# Altium PCB MiniPC.PcbDoc (part 4 of 23)
Units mm, origin at the board's own origin, x right, y up, seen from the top; angles counter-clockwise.
Board outline 175 x 155 mm, 16 copper layers (1_Top, 2_int1_(gnd), 3_int2_(power), 4_int3_(gnd), 5_int4_(sign), 6_int5_(power), 7_int6_(sign), 8_int7_(power), 9_int8_(gnd), 10_int9_(sign), 11_int10_(gnd), 12_int11_(sign), 13_int12_(gnd), 14_int13_(power), 15_int14_(gnd), 16_Bottom), stack 2.008 mm thick; 1046 components, 841 nets, 6010 pads, 4016 vias.
Unrouted connection lines stored in the file: 602.
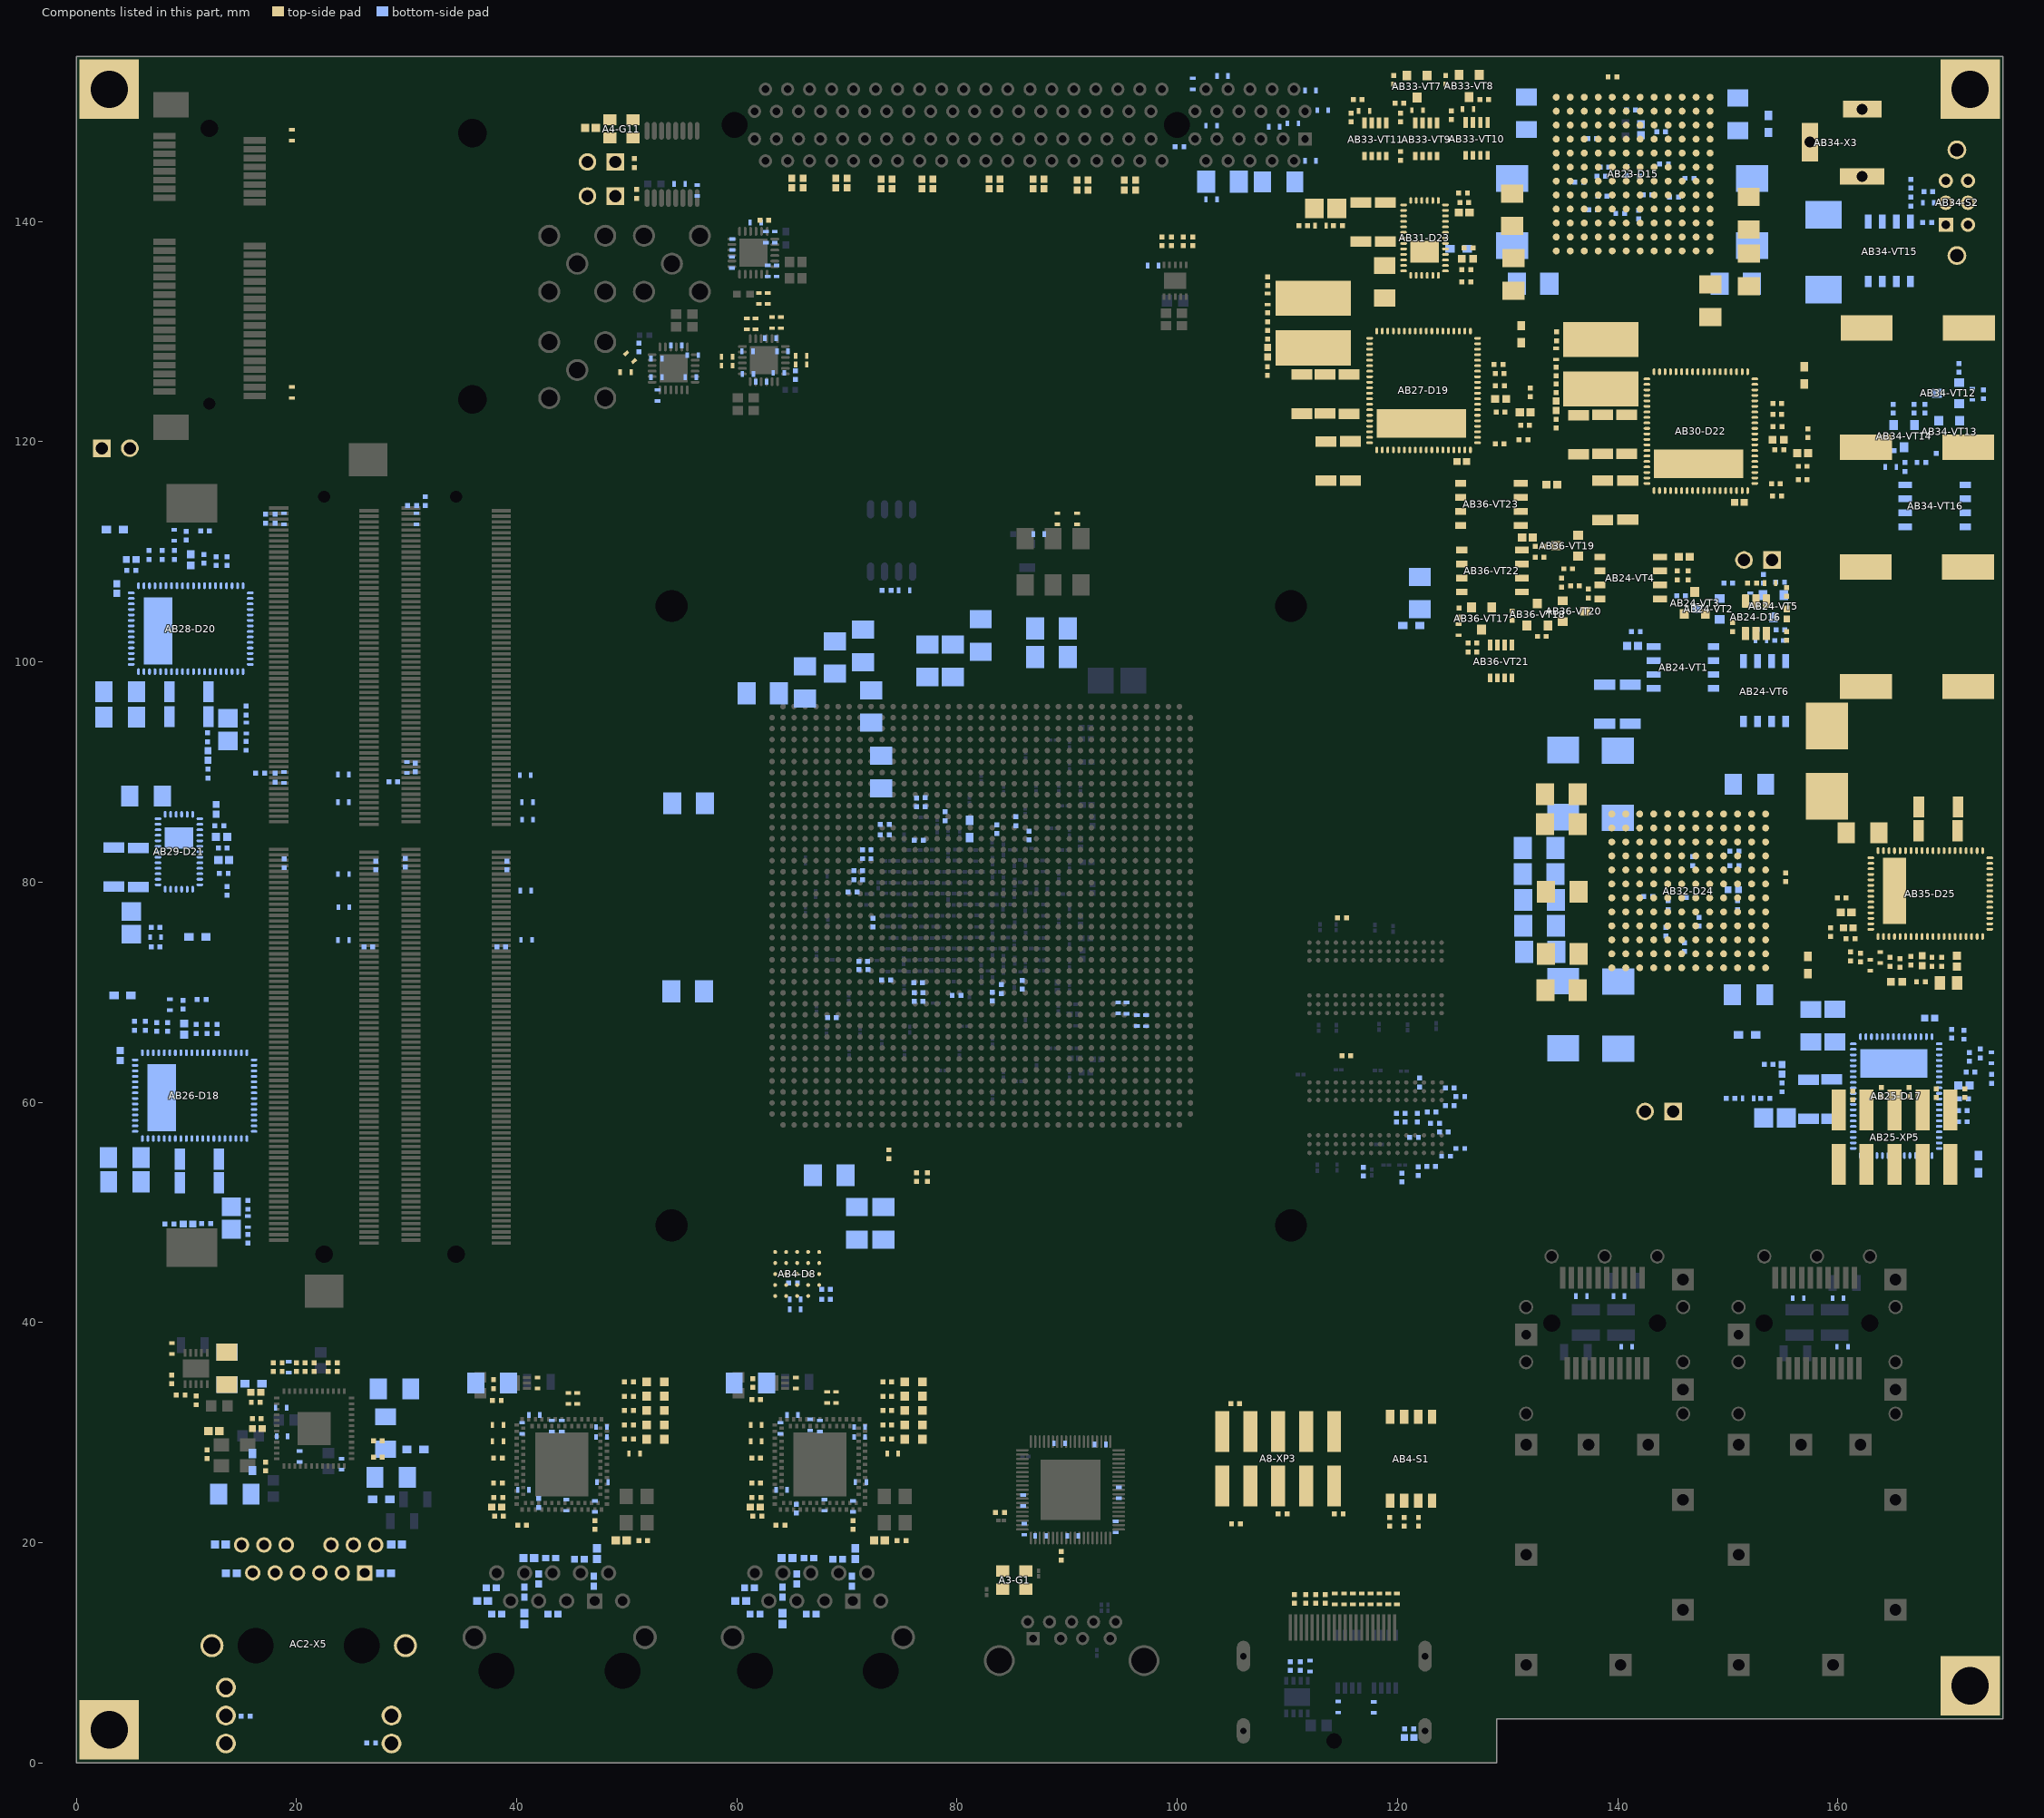
[diagram p18: the components of this part, seen from the top]

## Components (designator, comment, footprint, x,y, rotation, side; value= is the part's Value field where it differs from the comment) (continued)
AB24-C441 "CGB2A1X5R1E105K033BC" CAPC1005X33X10LL5 153.02,101.96 r180 bottom (schematic designator C441)
AB24-C442 "C1005X7R1E104M" CAPC1005X55X10LL05 153.845,107.15 r180 top (schematic designator C442)
AB24-D16 "TPS3700DDCR" DDC0006A_M 152.545,104.05 r90 top (schematic designator D16)
AB24-R152 "ERJ-2RKF1003X" RESC1005X40X25LL05T05 141.645,102.75 r180 bottom locked (schematic designator R152)
AB24-R153 "ERJ-2RKF1002X" RESC1005X40X25LL05T05 150.045,107.15 r0 bottom locked (schematic designator R153)
AB24-R154 "ERJ-2RKF1003X" RESC1005X40X25LL05T05 145.745,106 r0 bottom locked (schematic designator R154)
AB24-R155 "ERJ-2RKF1002X" RESC1005X40X25LL05T05 153.245,107.55 r90 bottom locked (schematic designator R155)
AB24-R156 "ERJ-2RKF1001X" RESC1005X40X25LL05T05 146.395,107.85 r90 top (schematic designator R156)
AB24-R157 "ERJ-2RKF1002X" RESC1005X40X25LL05T05 154.745,107.25 r180 bottom locked (schematic designator R157)
AB24-R158 "ERJ-2RKF1003X" RESC1005X40X25LL05T05 145.395,107.85 r270 top (schematic designator R158)
AB24-R159 "ERJ-2RKF4992X" RESC1005X40X25LL05T05 153.06,102.93 r180 bottom (schematic designator R159)
AB24-R160 "ERJ-2RKF1003X" RESC1005X40X25LL05T05 154.78,102.91 r180 bottom (schematic designator R160)
AB24-R161 "ERJ-2RKF10R0X" RESC1005X40X25LL05T05 154.65,101.94 r0 bottom (schematic designator R161)
AB24-R162 "ERJ-2RKF2552x" RESC1005X40X25LL05T05 155.345,102.35 r270 top (schematic designator R162)
AB24-R163 "NRC04F49R9TRF" RESC1005X35X25NL8T10 155.345,104.35 r270 top (schematic designator R163)
AB24-R164 "ERJ-2RKF1001X" RESC1005X40X25LL05T05 155.345,106.35 r270 top (schematic designator R164)
AB24-R165 "ERJ-2RKF1002X" RESC1005X40X25LL05T05 150.445,103.15 r270 top (schematic designator R165)
AB24-R166 "ERJ-2RKF1002X" RESC1005X40X25LL05T05 152.195,107.15 r180 top (schematic designator R166)
AB24-VT1 "SiRA00DP-T1-GE3" VISH-PPAKSO-8_V 145.978,99.485 r0 bottom locked (schematic designator VT1)
AB24-VT2 "MMBT2222A-7-F" DIOD-SOT23-3_V 148.245,104.8 r180 bottom (schematic designator VT2)
AB24-VT3 "MMBT2222A-7-F" DIOD-SOT23-3_V 146.995,105.35 r90 top (schematic designator VT3)
AB24-VT4 "SiRA00DP-T1-GE3" VISH-PPAKSO-8_V 141.113,107.615 r180 top locked (schematic designator VT4)
AB24-VT5 "MMBT2222A-7-F" DIOD-SOT23-3_V 154.145,105.05 r270 bottom (schematic designator VT5)
AB24-VT6 "Si7635DP-T1-GE3" VISH-PPAKSO-8_V 153.33,97.318 r270 bottom locked (schematic designator VT6)
AB24-XP4 "613 002 111 21" WE-61300211121_V 152.735,109.25 r180 top locked (schematic designator XP4)
AB25-C443 "GRM31CR61E226KE15L" CAPC3216X180X55ML20T25 157.52,66.95 r90 bottom (schematic designator C443)
AB25-C444 "GRM31CR61E226KE15L" CAPC3216X180X55ML20T25 159.71,66.96 r90 bottom (schematic designator C444)
AB25-C445 "VJ0402Y153JXQPW1BC" CAPC1005X55X23ML05T8 171.435,61.53 r180 bottom locked (schematic designator C445)
AB25-C446 "GRM155R61A224KE19D" CAPC1005X55X25NL05T10 168.335,67.63 r180 bottom locked (schematic designator C446)
AB25-C447 "C3216X5R1A476M160AB" CAPC3216X180X20ML20 157.32,60.28 r270 bottom (schematic designator C447)
AB25-C448 "C3216X5R1A476M160AB" CAPC3216X180X20ML20 159.44,60.29 r270 bottom (schematic designator C448)
AB25-C449 "C1005C0G1H220J050BA" CAPC1005X55X10LL05 173.935,64.03 r90 bottom locked (schematic designator C449)
AB25-C450 "GRM155R61A224KE19D" CAPC1005X55X25NL05T10 154.91,63 r90 bottom (schematic designator C450)
AB25-C451 "CGB2A1X5R1E105K033BC" CAPC1005X33X10LL5 151.83,60.34 r0 bottom (schematic designator C451)
AB25-D17 "EN6360QI" ALTR-QFN-68_A-305_V 165.285,60.556 r90 bottom locked (schematic designator D17)
AB25-L16 "742792609" SMD-0603 172.76,54.38 r270 bottom locked (schematic designator L16)
AB25-R167 "ERJ-2GE0R00X" RESC1005X40X25LL05T05 171.435,66.13 r90 bottom locked (schematic designator R167)
AB25-R168 "ERJ-2RKF1003X" RESC1005X40X25LL05T05 170.335,66.23 r90 bottom locked (schematic designator R168)
AB25-R169 "ERJ-2RKF5491X" RESC1005X40X25LL05T05 171.335,59.23 r0 bottom locked (schematic designator R169)
AB25-R170 "ERJ-2RKF1002X" RESC1005X40X25LL05T05 171.335,58.23 r180 bottom locked (schematic designator R170)
AB25-R171 "ERJ-2GE0R00X" RESC1005X40X25LL05T05 171.435,60.33 r0 bottom locked (schematic designator R171)
AB25-R172 "CRCW0402191KFKED" RESC1005X40X25LL05T05 171.935,64.13 r270 bottom locked (schematic designator R172)
AB25-R173 "ERJ-2GE0R00X" RESC1005X40X25LL05T05 173.935,62.13 r90 bottom locked (schematic designator R173)
AB25-R174 "CRCW0402160KFKED" RESC1005X40X25LL05T05 172.035,62.73 r180 bottom locked (schematic designator R174)
AB25-R175 "CRCW0402976KFKED" RESC1005X40X25LL05T05 161.335,60.63 r90 top (schematic designator R175)
AB25-R176 "CRCW0402649KFKED" RESC1005X40X25LL05T05 163.935,60.93 r90 top (schematic designator R176)
AB25-R177 "CRCW0402390KFKED" RESC1005X40X25LL05T05 166.435,60.93 r90 top (schematic designator R177)
AB25-R178 "ERJ-2RKF2403X" RESC1005X40X25LL05T05 168.935,60.83 r90 top (schematic designator R178)
AB25-R179 "CRCW0402137KFKED" RESC1005X40X25LL05T05 171.535,60.83 r90 top (schematic designator R179)
AB25-R180 "ERJ-2RKF1502X" RESC1005X40X25LL05T05 172.935,64.43 r270 bottom locked (schematic designator R180)
AB25-R181 "ERJ-2RKF1000X" RESC1005X40X25LL05T05 154.9,61.35 r90 bottom (schematic designator R181)
AB25-R182 "ERJ-2RKF1000X" RESC1005X40X25LL05T05 153.7,63.45 r0 bottom (schematic designator R182)
AB25-R183 "ERJ-2RKF1002X" RESC1005X40X25LL05T05 153.4,60.34 r0 bottom (schematic designator R183)
AB25-R184 "WSLP12061L000FEA" RESC3216X89X104LL25T25 154.28,58.58 r0 bottom (schematic designator R184)
AB25-R185 "ERJ-2RKF1002X" RESC1005X40X25LL05T05 150.24,60.36 r180 bottom (schematic designator R185)
AB25-XP5 "TSM-105-01-T-DV-TR" SMTC-TSM-105-01-T-DV_V 165.135,56.83 r0 top (schematic designator XP5)
AB26-C452 "GRM31CR61E226KE15L" CAPC3216X180X55ML20T25 4.41,54.97 r180 bottom (schematic designator C452)
AB26-C453 "GRM31CR61E226KE15L" CAPC3216X180X55ML20T25 4.42,52.77 r180 bottom (schematic designator C453)
AB26-C454 "VJ0402Y153JXQPW1BC" CAPC1005X55X23ML05T8 9.795,66.65 r270 bottom locked (schematic designator C454)
AB26-C455 "GRM155R61A224KE19D" CAPC1005X55X25NL05T10 3.995,64.25 r270 bottom locked (schematic designator C455)
AB26-C456 "C3216X5R1A476M160AB" CAPC3216X180X20ML20 11.185,54.83 r0 bottom (schematic designator C456)
AB26-C457 "C3216X5R1A476M160AB" CAPC3216X180X20ML20 11.17,52.69 r0 bottom (schematic designator C457)
AB26-C458 "C1005C0G1H220J050BA" CAPC1005X55X10LL05 8.495,68.85 r270 bottom locked (schematic designator C458)
AB26-C459 "GRM155R61A224KE19D" CAPC1005X55X25NL05T10 10.15,48.95 r180 bottom (schematic designator C459)
AB26-C460 "CGB2A1X5R1E105K033BC" CAPC1005X33X10LL5 15.6,49.15 r90 bottom (schematic designator C460)
AB26-D18 "EN6360QI" ALTR-QFN-68_A-305_V 10.75,60.6 r180 bottom locked (schematic designator D18)
AB26-L17 "742792609" SMD-0603 4.2,69.7 r0 bottom locked (schematic designator L17)
AB26-R186 "ERJ-2RKF5491X" RESC1005X40X25LL05T05 11.895,66.65 r90 bottom locked (schematic designator R186)
AB26-R187 "ERJ-2RKF1003X" RESC1005X40X25LL05T05 5.295,66.95 r90 bottom locked (schematic designator R187)
AB26-R188 "ERJ-2GE0R00X" RESC1005X40X25LL05T05 6.295,66.95 r90 bottom locked (schematic designator R188)
AB26-R189 "ERJ-2GE0R00X" RESC1005X40X25LL05T05 10.895,66.65 r90 bottom locked (schematic designator R189)
AB26-R190 "ERJ-2RKF1002X" RESC1005X40X25LL05T05 12.795,66.65 r270 bottom locked (schematic designator R190)
AB26-R191 "ERJ-2GE0R00X" RESC1005X40X25LL05T05 11.395,69.35 r180 bottom locked (schematic designator R191)
AB26-R192 "CRCW0402160KFKED" RESC1005X40X25LL05T05 9.695,68.85 r270 bottom locked (schematic designator R192)
AB26-R193 "CRCW0402191KFKED" RESC1005X40X25LL05T05 7.295,66.85 r270 bottom locked (schematic designator R193)
AB26-R194 "ERJ-2RKF1502X" RESC1005X40X25LL05T05 8.295,66.85 r270 bottom locked (schematic designator R194)
AB26-R195 "ERJ-2RKF1000X" RESC1005X40X25LL05T05 11.8,49 r180 bottom (schematic designator R195)
AB26-R196 "ERJ-2RKF1000X" RESC1005X40X25LL05T05 8.46,48.94 r0 bottom (schematic designator R196)
AB26-R197 "ERJ-2RKF1002X" RESC1005X40X25LL05T05 15.6,50.68 r90 bottom (schematic designator R197)
AB26-R198 "WSLP12061L000FEA" RESC3216X89X104LL25T25 14.08,49.49 r90 bottom (schematic designator R198)
AB26-R199 "ERJ-2RKF1002X" RESC1005X40X25LL05T05 15.59,47.61 r270 bottom (schematic designator R199)
AB27-C461 "C3216X5R1A476M160AB" CAPC3216X180X20ML20 113.51,118.23 r270 top (schematic designator C461)
AB27-C462 "C3216X5R1A476M160AB" CAPC3216X180X20ML20 115.73,118.25 r270 top (schematic designator C462)
AB27-C463 "VJ0402Y153JXQPW1BC" CAPC1005X55X23ML05T8 129.365,123.87 r180 top (schematic designator C463)
AB27-C464 "GRM155R61A224KE19D" CAPC1005X55X25NL05T10 125.84,118.21 r180 top (schematic designator C464)
AB27-C465 "ECJ-0EC1H270J" CAPC1005X55X20ML5T10 131.59,122.67 r0 top (schematic designator C465)
AB27-C466 "C3216X5R1A476M160AB" CAPC3216X180X20ML20 111.3,124.315 r90 top (schematic designator C466)
AB27-C467 "C3216X5R1A476M160AB" CAPC3216X180X20ML20 115.61,124.31 r90 top (schematic designator C467)
AB27-C468 "C3216X5R1A476M160AB" CAPC3216X180X20ML20 113.43,124.32 r90 top (schematic designator C468)
AB27-C469 "GRM155R61A224KE19D" CAPC1005X55X25NL05T10 108.19,128.11 r270 top (schematic designator C469)
AB27-C470 "CGB2A1X5R1E105K033BC" CAPC1005X33X10LL5 108.21,132.95 r90 top (schematic designator C470)
AB27-D19 "EN63A0QI" ALTR-QFN-76_A-305_V 122.365,124.645 r270 top locked (schematic designator D19)
AB27-L18 "742792609" SMD-0603 131.24,129.76 r270 top (schematic designator L18)
AB27-R200 "ERJ-2RKF1003X" RESC1005X40X25LL05T05 129.265,119.795 r0 top (schematic designator R200)
AB27-R201 "CRCW04023K57FKED" RESC1005X40X25LL05T05 129.265,126.195 r0 top (schematic designator R201)
AB27-R202 "ERJ-2RKF1002X" RESC1005X40X25LL05T05 129.165,126.995 r180 top (schematic designator R202)
AB27-R203 "ERJ-2GE0R00X" RESC1005X40X25LL05T05 129.295,125.06 r0 top (schematic designator R203)
AB27-R204 "ERJ-2GE0R00X" RESC1005X40X25LL05T05 132.065,124.47 r270 top (schematic designator R204)
AB27-R205 "CRCW0402160KFKED" RESC1005X40X25LL05T05 129.365,122.67 r180 top (schematic designator R205)
AB27-R206 "ERJ-2RKF2263X" RESC1005X40X25LL05T05 131.44,120.17 r0 top (schematic designator R206)
AB27-R207 "ERJ-2RKF1202X" RESC1005X40X25LL05T05 131.59,121.47 r180 top (schematic designator R207)
AB27-R208 "ERJ-2RKF1000X" RESC1005X40X25LL05T05 108.2,129.71 r270 top (schematic designator R208)
AB27-R209 "ERJ-2RKF1000X" RESC1005X40X25LL05T05 108.18,126.42 r90 top (schematic designator R209)
AB27-R210 "ERJ-2RKF1002X" RESC1005X40X25LL05T05 108.21,131.3 r270 top (schematic designator R210)
AB27-R211 "CSS2725FTL250" STAC-CSS2725-099H_V 112.34,130.76 r270 top (schematic designator R211)
AB27-R212 "ERJ-2RKF1002X" RESC1005X40X25LL05T05 108.21,134.56 r90 top (schematic designator R212)
AB28-C471 "GRM31CR61E226KE15L" CAPC3216X180X55ML20T25 3.99,97.28 r180 bottom (schematic designator C471)
AB28-C472 "GRM31CR61E226KE15L" CAPC3216X180X55ML20T25 3.99,94.99 r180 bottom (schematic designator C472)
AB28-C473 "VJ0402Y153JXQPW1BC" CAPC1005X55X23ML05T8 10.4,109.26 r270 bottom locked (schematic designator C473)
AB28-C474 "GRM155R61A224KE19D" CAPC1005X55X25NL05T10 3.7,106.66 r270 bottom locked (schematic designator C474)
AB28-C475 "C1005C0G1H220J050BA" CAPC1005X55X10LL05 8.9,111.5 r270 bottom locked (schematic designator C475)
AB28-C476 "C3216X5R1A476M160AB" CAPC3216X180X20ML20 10.22,95.03 r0 bottom (schematic designator C476)
AB28-C477 "C3216X5R1A476M160AB" CAPC3216X180X20ML20 10.25,97.28 r0 bottom (schematic designator C477)
AB28-C478 "GRM155R61A224KE19D" CAPC1005X55X25NL05T10 11.95,91.49 r270 bottom (schematic designator C478)
AB28-C479 "CGB2A1X5R1E105K033BC" CAPC1005X33X10LL5 15.45,93.99 r90 bottom (schematic designator C479)
AB28-D20 "EN6360QI" ALTR-QFN-68_A-305_V 10.4,103.01 r180 bottom locked (schematic designator D20)
AB28-L19 "742792609" SMD-0603 3.5,112 r0 bottom locked (schematic designator L19)
AB28-R213 "NRC04F49R9TRF" RESC1005X35X25NL8T10 5,109.3 r180 bottom locked (schematic designator R213)
AB28-R214 "CRCW04023K57FKED" RESC1005X40X25LL05T05 12.7,109.16 r90 bottom locked (schematic designator R214)
AB28-R215 "ERJ-2RKF1003X" RESC1005X40X25LL05T05 5,108.3 r180 bottom locked (schematic designator R215)
AB28-R216 "ERJ-2RKF1002X" RESC1005X40X25LL05T05 13.7,109.16 r270 bottom locked (schematic designator R216)
AB28-R217 "ERJ-2GE0R00X" RESC1005X40X25LL05T05 11.6,109.36 r90 bottom locked (schematic designator R217)
AB28-R218 "ERJ-2GE0R00X" RESC1005X40X25LL05T05 11.7,111.9 r180 bottom locked (schematic designator R218)
AB28-R219 "CRCW0402160KFKED" RESC1005X40X25LL05T05 10,111.46 r270 bottom locked (schematic designator R219)
AB28-R220 "ERJ-2RKF3243X" RESC1005X40X25LL05T05 7.8,109.7 r270 bottom locked (schematic designator R220)
AB28-R221 "ERJ-2RKF1502X" RESC1005X40X25LL05T05 8.9,109.7 r270 bottom locked (schematic designator R221)
AB28-R222 "CRCW04021M78FKED" RESC1005X40X25LL05T05 6.6,109.7 r270 bottom locked (schematic designator R222)
AB28-R223 "ERJ-2RKF1000X" RESC1005X40X25LL05T05 11.94,93.14 r270 bottom (schematic designator R223)
AB28-R224 "ERJ-2RKF1002X" RESC1005X40X25LL05T05 15.44,95.58 r90 bottom (schematic designator R224)
AB28-R225 "ERJ-2RKF1000X" RESC1005X40X25LL05T05 11.96,89.85 r90 bottom (schematic designator R225)
AB28-R226 "WSLP12061L000FEA" RESC3216X89X104LL25T25 13.78,93.84 r90 bottom (schematic designator R226)
AB28-R227 "ERJ-2RKF1002X" RESC1005X40X25LL05T05 15.44,92.37 r270 bottom (schematic designator R227)
AB28-XP6 "613 002 111 21" WE-61300211121_V 3.6,119.4 r0 bottom locked (schematic designator XP6)
AB29-C480 "GRM31CR61E226KE15L" CAPC3216X180X55ML20T25 6.34,87.81 r0 bottom (schematic designator C480)
AB29-C481 "VJ0402Y153JXQPW1BC" CAPC1005X55X23ML05T8 13.2,84.1 r180 bottom locked (schematic designator C481)
AB29-C482 "C3216X5R1A476M160AB" CAPC3216X180X20ML20 3.43,81.355 r270 bottom (schematic designator C482)
AB29-C483 "C3216X5R1A476M160AB" CAPC3216X180X20ML20 5.64,81.335 r270 bottom (schematic designator C483)
AB29-C484 "ECJ-0EC1H150J" CAPC1005X55X20ML5T10 13.4,82 r0 bottom locked (schematic designator C484)
AB29-C485 "CGB2A1X5R1E105K033BC" CAPC1005X33X10LL5 7.2,75 r0 bottom locked (schematic designator C485)
AB29-D21 "EN6337QI" ALTR-QFN-38_A-190_D1-193_V 9.325,82.75 r90 bottom locked (schematic designator D21)
AB29-L20 "742792609" SMD-0603 11,75 r0 bottom locked (schematic designator L20)
AB29-R228 "NRC04F49R9TRF" RESC1005X35X25NL8T10 12.7,86.6 r270 bottom locked (schematic designator R228)
AB29-R229 "ERJ-2RKF1003X" RESC1005X40X25LL05T05 13,85.1 r180 bottom locked (schematic designator R229)
AB29-R230 "ERJ-2RKF1004X" RESC1005X40X25LL05T05 13.3,83.1 r180 bottom locked (schematic designator R230)
AB29-R231 "ERJ-2RKF2003X" RESC1005X40X25LL05T05 13.4,80.8 r0 bottom locked (schematic designator R231)
AB29-R232 "ERJ-2GE0R00X" RESC1005X40X25LL05T05 13.7,79.2 r90 bottom locked (schematic designator R232)
AB29-R233 "ERJ-2RKF1002X" RESC1005X40X25LL05T05 7.2,75.9 r0 bottom locked (schematic designator R233)
AB29-R234 "WSLP12061L000FEA" RESC3216X89X104LL25T25 5,76.3 r90 bottom locked (schematic designator R234)
AB29-R235 "ERJ-2RKF1002X" RESC1005X40X25LL05T05 7.2,74.1 r180 bottom locked (schematic designator R235)
AB30-C486 "C3216X5R1A476M160AB" CAPC3216X180X20ML20 140.91,114.7 r270 top (schematic designator C486)
AB30-C487 "C3216X5R1A476M160AB" CAPC3216X180X20ML20 138.64,114.67 r270 top (schematic designator C487)
AB30-C488 "VJ0402Y153JXQPW1BC" CAPC1005X55X23ML05T8 154.57,120.16 r180 top (schematic designator C488)
AB30-C489 "GRM155R61A224KE19D" CAPC1005X55X25NL05T10 151.045,114.5 r180 top (schematic designator C489)
AB30-C490 "C3216X5R1A476M160AB" CAPC3216X180X20ML20 138.62,120.66 r90 top (schematic designator C490)
AB30-C491 "C3216X5R1A476M160AB" CAPC3216X180X20ML20 140.82,120.66 r90 top (schematic designator C491)
AB30-C492 "C3216X5R1A476M160AB" CAPC3216X180X20ML20 136.43,120.63 r90 top (schematic designator C492)
AB30-C493 "ECJ-0EC1H270J" CAPC1005X55X20ML5T10 156.795,118.96 r0 top (schematic designator C493)
AB30-C494 "GRM155R61A224KE19D" CAPC1005X55X25NL05T10 134.41,123.25 r270 top (schematic designator C494)
AB30-C495 "CGB2A1X5R1E105K033BC" CAPC1005X33X10LL5 134.41,127.96 r90 top (schematic designator C495)
AB30-D22 "EN63A0QI" ALTR-QFN-76_A-305_V 147.545,120.95 r270 top locked (schematic designator D22)
AB30-L21 "742792609" SMD-0603 156.95,126.025 r270 top (schematic designator L21)
AB30-R236 "ERJ-2RKF1003X" RESC1005X40X25LL05T05 154.47,115.06 r0 top (schematic designator R236)
AB30-R237 "ERJ-2RKF5491X" RESC1005X40X25LL05T05 154.495,122.46 r0 top (schematic designator R237)
AB30-R238 "ERJ-2GE0R00X" RESC1005X40X25LL05T05 154.37,116.16 r180 top (schematic designator R238)
AB30-R239 "ERJ-2RKF1002X" RESC1005X40X25LL05T05 154.495,123.46 r180 top (schematic designator R239)
AB30-R240 "ERJ-2GE0R00X" RESC1005X40X25LL05T05 154.5,121.35 r0 top (schematic designator R240)
AB30-R241 "ERJ-2GE0R00X" RESC1005X40X25LL05T05 157.27,120.76 r270 top (schematic designator R241)
AB30-R242 "CRCW0402160KFKED" RESC1005X40X25LL05T05 154.67,119.26 r180 top (schematic designator R242)
AB30-R243 "ERJ-2RKF8062X" RESC1005X40X25LL05T05 156.795,116.56 r0 top (schematic designator R243)
AB30-R244 "ERJ-2RKF1502X" RESC1005X40X25LL05T05 156.795,117.76 r180 top (schematic designator R244)
AB30-R245 "ERJ-2RKF1000X" RESC1005X40X25LL05T05 134.41,124.85 r270 top (schematic designator R245)
AB30-R246 "ERJ-2RKF1000X" RESC1005X40X25LL05T05 134.41,121.63 r90 top (schematic designator R246)
AB30-R247 "ERJ-2RKF1002X" RESC1005X40X25LL05T05 134.42,126.37 r270 top (schematic designator R247)
AB30-R248 "CSS2725FTL250" STAC-CSS2725-099H_V 138.47,127.03 r270 top (schematic designator R248)
AB30-R249 "ERJ-2RKF1002X" RESC1005X40X25LL05T05 134.43,129.57 r90 top (schematic designator R249)
AB31-C496 "GRM31CR61E226KE15L" CAPC3216X180X55ML20T25 118.83,134.52 r270 top (schematic designator C496)
AB31-C497 "VJ0402Y153JXQPW1BC" CAPC1005X55X23ML05T8 126.35,136.6 r180 top (schematic designator C497)
AB31-C498 "C3216X5R1A476M160AB" CAPC3216X180X20ML20 118.88,139.93 r90 top (schematic designator C498)
AB31-C499 "C3216X5R1A476M160AB" CAPC3216X180X20ML20 116.67,139.94 r90 top (schematic designator C499)
AB31-C500 "ECJ-0EC1H150J" CAPC1005X55X20ML5T10 126.05,140.8 r0 top (schematic designator C500)
AB31-C501 "CGB2A1X5R1E105K033BC" CAPC1005X33X10LL5 113.02,139.62 r180 top (schematic designator C501)
AB31-D23 "EN6337QI" ALTR-QFN-38_A-190_D1-193_V 122.45,138.5 r270 top locked (schematic designator D23)
AB31-L22 "742792609" SMD-0603 125.55,137.5 r0 bottom locked (schematic designator L22)
AB31-R250 "ERJ-2GE0R00X" RESC1005X40X25LL05T05 126.25,134.5 r180 top (schematic designator R250)
AB31-R251 "ERJ-2RKF1003X" RESC1005X40X25LL05T05 126.25,135.6 r180 top (schematic designator R251)
AB31-R252 "ERJ-2RKF8662X" RESC1005X40X25LL05T05 126.45,137.6 r180 top (schematic designator R252)
AB31-R253 "ERJ-2RKF2003X" RESC1005X40X25LL05T05 126.05,141.7 r0 top (schematic designator R253)
AB31-R254 "ERJ-2GE0R00X" RESC1005X40X25LL05T05 125.95,142.6 r0 top (schematic designator R254)
AB31-R255 "ERJ-2RKF1002X" RESC1005X40X25LL05T05 114.58,139.61 r0 top (schematic designator R255)
AB31-R256 "WSLP12061L000FEA" RESC3216X89X104LL25T25 113.46,141.18 r180 top (schematic designator R256)
AB31-R257 "ERJ-2RKF1002X" RESC1005X40X25LL05T05 111.44,139.61 r180 top (schematic designator R257)
AB32-C502 "GRM31CR61E226KE15L" CAPC3216X180X55ML20T25 151.965,88.895 r0 bottom (schematic designator C502)
AB32-C503 "GRM31CR61E226KE15L" CAPC3216X180X55ML20T25 151.88,69.77 r0 bottom (schematic designator C503)
AB32-C504 "GRM31CR60J107ME39L" CAPC3216X190X55ML30T25 134.88,87.97 r0 top (schematic designator C504)
AB32-C505 "GRM31CR60J107ME39L" CAPC3216X190X55ML30T25 134.9,70.17 r0 top (schematic designator C505)
AB32-C506 "VJ0402Y182JXJCW1BC" CAPC1005X55X23NL05T8 150.49,79.295 r180 bottom locked (schematic designator C506)
AB32-C507 "GRM31CR60J107ME39L" CAPC3216X190X55ML30T25 134.87,85.26 r0 top (schematic designator C507)
AB32-C508 "GRM31CR60J107ME39L" CAPC3216X190X55ML30T25 134.95,73.47 r0 top (schematic designator C508)
AB32-C509 "GRM31CR60J107ME39L" CAPC3216X190X55ML30T25 132.89,78.37 r0 bottom (schematic designator C509)
AB32-C510 "GRM31CR60J107ME39L" CAPC3216X190X55ML30T25 132.9,76.03 r0 bottom (schematic designator C510)
AB32-C511 "6TPF330M9L" PNSC-TPF-D3L_V 135.04,88.94 r90 bottom (schematic designator C511)
AB32-C512 "GRM31CR60J107ME39L" CAPC3216X190X55ML30T25 132.96,73.66 r0 bottom (schematic designator C512)
AB32-C513 "6TPF330M9L" PNSC-TPF-D3L_V 140.05,67.91 r270 bottom (schematic designator C513)
AB32-C514 "GRM31CR60J107ME39L" CAPC3216X190X55ML30T25 134.96,79.11 r0 top (schematic designator C514)
AB32-C515 "6TPF330M9L" PNSC-TPF-D3L_V 140,88.89 r90 bottom (schematic designator C515)
AB32-C516 "6TPF330M9L" PNSC-TPF-D3L_V 135.03,67.94 r270 bottom (schematic designator C516)
AB32-D24 "LTM4677IY#PBF" LT-BGA-144-05-08-1920_V 146.44,79.195 r0 top (schematic designator D24)
AB32-L23 "742792609" SMD-0603 151.75,66.1 r180 bottom locked (schematic designator L23)
AB32-R258 "ERJ-2GE0R00X" RESC1005X40X25LL05T05 150.59,81.495 r0 bottom locked (schematic designator R258)
AB32-R259 "ERJ-2GE0R00X" RESC1005X40X25LL05T05 150.59,82.795 r0 bottom locked (schematic designator R259)
AB32-R260 "ERJ-2GE0R00X" RESC1005X40X25LL05T05 144.36,75.485 r270 bottom locked (schematic designator R260)
AB32-R261 "ERJ-2RKF1782X" RESC1005X40X25LL05T05 150.89,77.895 r90 bottom locked (schematic designator R261)
AB32-R262 "ERJ-2RKF1651X" RESC1005X40X25LL05T05 142.765,78.695 r0 bottom locked (schematic designator R262)
AB32-R263 "ERJ-2RKF1002X" RESC1005X40X25LL05T05 146.06,74.085 r270 bottom locked (schematic designator R263)
AB32-R264 "ERJ-2RKF1651X" RESC1005X40X25LL05T05 144.565,77.895 r270 bottom locked (schematic designator R264)
AB32-R265 "ERJ-2RKF1651X" RESC1005X40X25LL05T05 146.64,78.595 r0 bottom locked (schematic designator R265)
AB32-R266 "ERJ-2GE0R00X" RESC1005X40X25LL05T05 155.26,80.43 r90 top (schematic designator R266)
AB32-R267 "ERJ-2RKF1002X" RESC1005X40X25LL05T05 147.365,76.395 r270 bottom locked (schematic designator R267)
AB32-R268 "ERJ-2RKF1002X" RESC1005X40X25LL05T05 146.79,81.895 r90 bottom locked (schematic designator R268)
AB33-C517 "CGB2A1X5R1E105K033BC" CAPC1005X33X10LL5 116.97,150.05 r0 top (schematic designator C517)
AB33-C518 "CGB2A1X5R1E105K033BC" CAPC1005X33X10LL5 121.8,150.1 r0 top (schematic designator C518)
AB33-C519 "CGB2A1X5R1E105K033BC" CAPC1005X33X10LL5 126.4,150.2 r0 top (schematic designator C519)
AB33-R269 "ERJ-2RKF10R0X" RESC1005X40X25LL05T05 119.67,152.85 r270 top (schematic designator R269)
AB33-R270 "ERJ-2RKF10R0X" RESC1005X40X25LL05T05 124.37,152.85 r270 top (schematic designator R270)
AB33-R271 "ERJ-2RKF10R0X" RESC1005X40X25LL05T05 120.27,149.45 r270 top (schematic designator R271)
AB33-R272 "ERJ-2RKF1003X" RESC1005X40X25LL05T05 120.17,150.75 r0 top (schematic designator R272)
AB33-R273 "ERJ-2RKF10R0X" RESC1005X40X25LL05T05 124.87,149.65 r270 top (schematic designator R273)
AB33-R274 "ERJ-2RKF10R0X" RESC1005X40X25LL05T05 115.77,149.45 r270 top (schematic designator R274)
AB33-R275 "ERJ-2RKF1003X" RESC1005X40X25LL05T05 116.37,151.05 r0 top (schematic designator R275)
AB33-R276 "ERJ-2RKF1003X" RESC1005X40X25LL05T05 127.87,151.05 r180 top (schematic designator R276)
AB33-R277 "ERJ-2RKF1003X" RESC1005X40X25LL05T05 120.27,145.95 r90 top (schematic designator R277)
AB33-VT7 "DMG2305UX-7" DIOD-SOT23-3_A_V 121.77,152.25 r270 top (schematic designator VT7)
AB33-VT8 "DMG2305UX-7" DIOD-SOT23-3_A_V 126.5,152.3 r270 top (schematic designator VT8)
AB33-VT9 "SiSS23DN-T1-GE3" VISH-PPAK1212-8S_V 122.6,147.5 r270 top locked (schematic designator VT9)
AB33-VT10 "SiSS23DN-T1-GE3" VISH-PPAK1212-8S_V 127.19,147.55 r270 top locked (schematic designator VT10)
AB33-VT11 "SiSS23DN-T1-GE3" VISH-PPAK1212-8S_V 118,147.5 r270 top locked (schematic designator VT11)
AB34-C520 "C1005X7R1E104M" CAPC1005X55X10LL05 172.2,124.3 r90 bottom locked (schematic designator C520)
AB34-C521 "EEH-ZA1E331P" PNSC-EEH-ZA1E331P_M 167.19,119.5 r0 top (schematic designator C521)
AB34-C522 "EEH-ZA1E331P" PNSC-EEH-ZA1E331P_M 167.19,97.76 r0 top (schematic designator C522)
AB34-C523 "EEH-ZA1E331P" PNSC-EEH-ZA1E331P_M 167.16,108.62 r0 top (schematic designator C523)
AB34-C524 "EEH-ZA1E331P" PNSC-EEH-ZA1E331P_M 167.24,130.31 r0 top (schematic designator C524)
AB34-C525 "CGB2A1X5R1E105K033BC" CAPC1005X33X10LL5 168.2,141.7 r180 bottom locked (schematic designator C525)
AB34-C526 "CGB2A1X5R1E105K033BC" CAPC1005X33X10LL5 164.8,117.7 r180 bottom locked (schematic designator C526)
AB34-R278 "ERJ-2RKF1001X" RESC1005X40X25LL05T05 171,126.7 r270 bottom locked (schematic designator R278)
AB34-R279 "ERJ-2RKF1002X" RESC1005X40X25LL05T05 173.2,124.3 r90 bottom locked (schematic designator R279)
AB34-R280 "ERJ-2RKF4992X" RESC1005X40X25LL05T05 167.9,123 r90 bottom locked (schematic designator R280)
AB34-R281 "ERJ-2RKF4992X" RESC1005X40X25LL05T05 165,123 r90 bottom locked (schematic designator R281)
AB34-R282 "ERJ-2RKF10R0X" RESC1005X40X25LL05T05 168.1,139.9 r180 bottom locked (schematic designator R282)
AB34-R283 "ERJ-2RKF1001X" RESC1005X40X25LL05T05 169.325,118.95 r180 bottom locked (schematic designator R283)
AB34-R284 "ERJ-2RKF4992X" RESC1005X40X25LL05T05 166.9,123 r90 bottom locked (schematic designator R284)
AB34-R285 "ERJ-2RKF1003X" RESC1005X40X25LL05T05 167.575,118.125 r180 bottom (schematic designator R285)
AB34-R286 "ERJ-2RKF4992X" RESC1005X40X25LL05T05 168.2,142.7 r180 bottom locked (schematic designator R286)
AB34-R287 "ERJ-2RKF10R0X" RESC1005X40X25LL05T05 166.6,141.8 r270 bottom locked (schematic designator R287)
AB34-R288 "ERJ-2RKF10R0X" RESC1005X40X25LL05T05 164.7,119.2 r180 bottom locked (schematic designator R288)
AB34-R289 "ERJ-2RKF10R0X" RESC1005X40X25LL05T05 166.1,117.7 r270 bottom locked (schematic designator R289)
AB34-R290 "ERJ-2RKF1003X" RESC1005X40X25LL05T05 166.6,143.418 r270 bottom locked (schematic designator R290)
AB34-S2 "EG2207" ESWI-EG2207_V 170.8,141.7 r90 top locked (schematic designator S2)
AB34-VD6 "B530C-13-F" DIOD-SMC-2_V 158.7,137.2 r90 bottom locked (schematic designator VD6)
AB34-VT12 "MMBT2222A-7-F" DIOD-SOT23-3_V 170,124.4 r180 bottom (schematic designator VT12)
AB34-VT13 "MMBT2222A-7-F" DIOD-SOT23-3_V 170.1,120.9 r270 bottom locked (schematic designator VT13)
AB34-VT14 "DMP3098L-7" DIOD-SOT23-3_V 166,120.5 r270 bottom locked (schematic designator VT14)
AB34-VT15 "Si7635DP-T1-GE3" VISH-PPAKSO-8_V 164.665,137.268 r270 bottom locked (schematic designator VT15)
AB34-VT16 "Si7635DP-T1-GE3" VISH-PPAKSO-8_V 168.832,114.165 r0 bottom locked (schematic designator VT16)
AB34-X3 "16PJ032" KOBI-16PJ032_V 162.2,150.2 r90 top locked (schematic designator X3)
AB34-XP7 "613 002 111 21" WE-61300211121_V 143.75,59.16 r180 top (schematic designator XP7)
AB35-C527 "CGB2A1X5R1E105K033BC" CAPC1005X33X10LL5 163.834,73.15 r270 top (schematic designator C527)
AB35-C528 "CGB2A1X5R1E105K033BC" CAPC1005X33X10LL5 162.934,72.45 r90 top (schematic designator C528)
AB35-C529 "GRM155R71E473KA88D" CAPC1005X55X25NL05T10 167.634,72.85 r90 top (schematic designator C529)
AB35-C530 "GRM31CR61E226KE15L" CAPC3216X180X55ML20T25 162.23,84.46 r180 top (schematic designator C530)
AB35-C531 "GRM155R61A224KE19D" CAPC1005X55X25NL05T10 160.934,75.85 r180 top (schematic designator C531)
AB35-C532 "GRM155R71E223KA61D" CAPC1005X55X25ML05T10 160.734,77.25 r180 top (schematic designator C532)
AB35-C533 "C3216X5R1A476M160AB" CAPC3216X180X20ML20 169.075,84.66 r0 top (schematic designator C533)
AB35-C534 "C3216X5R1A476M160AB" CAPC3216X180X20ML20 169.115,86.81 r0 top (schematic designator C534)
AB35-C535 "GRM155R71H681KA01D" CAPC1005X55X25ML05T10 170.805,72.81 r90 top (schematic designator C535)
AB35-C536 "GRM1535C1H560JDD5D" CAPC1005X33X20ML05T10 165.334,70.95 r0 top (schematic designator C536)
AB35-D25 "EN2342QI" ALTR-QFN-68_A-305_D1-210_V 168.384,78.95 r180 top (schematic designator D25)
AB35-F1 "154001" LFUS-0154001.DR_V 159,90.98 r90 top (schematic designator F1)
AB35-L24 "742792609" SMD-0603 157.28,72.46 r270 top (schematic designator L24)
AB35-R291 "ERJ-2RKF6812X" RESC1005X40X25LL05T05 168.534,72.75 r90 top (schematic designator R291)
AB35-R292 "ERJ-2RKF4992X" RESC1005X40X25LL05T05 161.134,73.25 r90 top (schematic designator R292)
AB35-R293 "CRCW040230K1FKED" RESC1005X40X25LL05T05 169.434,72.75 r90 top (schematic designator R293)
AB35-R294 "ERJ-2RKF1002X" RESC1005X40X25LL05T05 162.034,73.15 r90 top (schematic designator R294)
AB35-R295 "ERJ-2RKF1003X" RESC1005X40X25LL05T05 161.134,74.85 r180 top (schematic designator R295)
AB35-R296 "ERJ-2RKF4751X" RESC1005X40X25LL05T05 159.334,75.45 r90 top (schematic designator R296)
AB35-R297 "ERJ-6RQF4R7V" RESC2013X70X40LL20T20 170.034,70.85 r0 top (schematic designator R297)
AB35-R298 "ERJ-2GEJ561x" RESC1005X40X25LL05T05 160.334,78.55 r180 top (schematic designator R298)
AB35-R299 "ERJ-2GE0R00X" RESC1005X40X25LL05T05 167.534,70.95 r0 top (schematic designator R299)
AB35-R300 "ERJ-2RKF8062X" RESC1005X40X25LL05T05 166.634,72.85 r270 top (schematic designator R300)
AB35-R301 "ERJ-2RKF1432X" RESC1005X40X25LL05T05 164.734,72.75 r90 top (schematic designator R301)
AB35-R302 "ERJ-2RKF1002X" RESC1005X40X25LL05T05 165.634,72.65 r270 top (schematic designator R302)
AB36-C537 "CGB2A1X5R1E105K033BC" CAPC1005X33X10LL5 125.55,102.91 r90 top (schematic designator C537)
AB36-C538 "GRM155R71H103KA88D" CAPC1005X55X25ML05T10 131.8,111.3 r180 top (schematic designator C538)
AB36-C539 "GRM155R71H103KA88D" CAPC1005X55X25ML05T10 134.01,116.1 r180 top (schematic designator C539)
AB36-R303 "ERJ-2RKF1002X" RESC1005X40X25LL05T05 133.11,102.31 r180 top (schematic designator R303)
AB36-R304 "ERJ-2RKF1003X" RESC1005X40X25LL05T05 135.5,108.45 r180 top (schematic designator R304)
AB36-R305 "ERJ-2RKF1002X" RESC1005X40X25LL05T05 130.41,104.18 r90 top (schematic designator R305)
AB36-R306 "ERJ-2RKF10R0X" RESC1005X40X25LL05T05 125.59,104.47 r270 top (schematic designator R306)
AB36-R307 "ERJ-2RKF1003X" RESC1005X40X25LL05T05 134.91,107.2 r90 top (schematic designator R307)
AB36-R308 "ERJ-2RKF1003X" RESC1005X40X25LL05T05 132.9,109.5 r0 top (schematic designator R308)
AB36-R309 "ERJ-2RKF4992X" RESC1005X40X25LL05T05 126.8,100.9 r180 top (schematic designator R309)
AB36-R310 "ERJ-2RKF1001X" RESC1005X40X25LL05T05 132.9,110.5 r180 top (schematic designator R310)
AB36-R311 "ERJ-2RKF10R0X" RESC1005X40X25LL05T05 126.8,101.7 r0 top (schematic designator R311)
AB36-R312 "ERJ-2RKF1003X" RESC1005X40X25LL05T05 136.11,106.9 r180 top (schematic designator R312)
AB36-R313 "ERJ-2RKF1001X" RESC1005X40X25LL05T05 137.31,106.2 r90 top (schematic designator R313)
AB36-VT17 "DMG2305UX-7" DIOD-SOT23-3_A_V 127.63,103.94 r270 top (schematic designator VT17)
AB36-VT18 "MMBT2222A-7-F" DIOD-SOT23-3_V 132.7,104.3 r90 top (schematic designator VT18)
AB36-VT19 "MMBT2222A-7-F" DIOD-SOT23-3_V 135.4,110.55 r180 top (schematic designator VT19)
AB36-VT20 "MMBT2222A-7-F" DIOD-SOT23-3_V 136.01,104.6 r0 top (schematic designator VT20)
AB36-VT21 "SiSS23DN-T1-GE3" VISH-PPAK1212-8S_V 129.4,100.1 r270 top locked (schematic designator VT21)
AB36-VT22 "SiRA00DP-T1-GE3" VISH-PPAKSO-8_V 128.56,108.25 r180 top locked (schematic designator VT22)
AB36-VT23 "SiRA00DP-T1-GE3" VISH-PPAKSO-8_V 128.468,114.305 r180 top locked (schematic designator VT23)
AC2-C540 "GRM155R71H103KA88D" CAPC1005X55X25ML05T10 28.097,17.225 r180 bottom locked (schematic designator C540)
AC2-C541 "GRM155R71H103KA88D" CAPC1005X55X25ML05T10 14.087,17.225 r0 bottom locked (schematic designator C541)
AC2-C542 "GRM155R71H103KA88D" CAPC1005X55X25ML05T10 13.087,19.825 r0 bottom locked (schematic designator C542)
AC2-C543 "GRM155R71H103KA88D" CAPC1005X55X25ML05T10 29.097,19.825 r180 bottom locked (schematic designator C543)
AC2-R314 "ERJ-2GEJ221X" RESC1005X40X25LL05T05 26.787,1.825 r0 bottom locked (schematic designator R314)
AC2-R315 "ERJ-2GEJ221X" RESC1005X40X25LL05T05 15.387,4.225 r180 bottom locked (schematic designator R315)
AC2-X5 "L829-1J1T-43" BELS-L829-1J1T-43_V 21.112,10.65 r180 top locked (schematic designator X5)
M1 "Full Fan Mini" "FULL FAN MINI" 82.1,77.1 r0 top
MH1 "Comment" "Mounting Hole" 172,152 r0 top locked
MH2 "Comment" "Mounting Hole" 3,152 r0 top locked
MH3 "Comment" "Mounting Hole" 3,3 r0 top locked
MH4 "Comment" "Mounting Hole" 172,7 r0 top locked

## Footprints (in the part's own frame and the unit in brackets; to place one, negate y for a bottom-side part, rotate by r counter-clockwise, add the part's x,y. Pads: shape width x height; smd on the part's side, far side on the other; paste and mask are expansions set on the pad)
0603_A [mm]
  rect 0.8x0.8 smd: 1(-0.8,0) 2(0.8,0)
  silkscreen extent -1.5,-0.3 -1.5,0.3, body extent -0.8,-0.4 0.8,0.4, height 0.7
416131160804 [mm]
  rect 0.76x1.27 smd: 1(-1.905,-3.81) 2(-0.635,-3.81) 3(0.635,-3.81) 4(1.905,-3.81) 5(1.905,3.81) 6(0.635,3.81) 7(-0.635,3.81) 8(-1.905,3.81)
  silkscreen extent -3.11,-3.66 3.06,2.8, body extent -3.06,-4 3.06,4, height 2.06
ABRA-ASE2_V [mm]
  rect 1.2x1 smd: 1(-1.05,-0.825) 2(1.05,-0.825) 3(1.05,0.825) 4(-1.05,0.825)
  silkscreen extent -2.1,-1.25 0.05,1.25, body extent -1.6,-1.25 1.6,1.25, height 1.2
ALTR-FBGA24_A-130 [mm]
  round 0.35 smd: A2(-1,2) A3(0,2) A4(1,2) A5(2,2) B1(-2,1) B2(-1,1) B3(0,1) B4(1,1) B5(2,1) C1(-2,0) C2(-1,0) C3(0,0) C4(1,0) C5(2,0) D1(-2,-1) D2(-1,-1) D3(0,-1) D4(1,-1) D5(2,-1) E1(-2,-2) E2(-1,-2) E3(0,-2) E4(1,-2) E5(2,-2)
  silkscreen extent -3.78,-4 3,4, body extent -3,-4 3,4, height 1.3